# Altium PCB EASY-EAI-Nano-TB V1.01.PCBDOC (part 6 of 7) (continued)
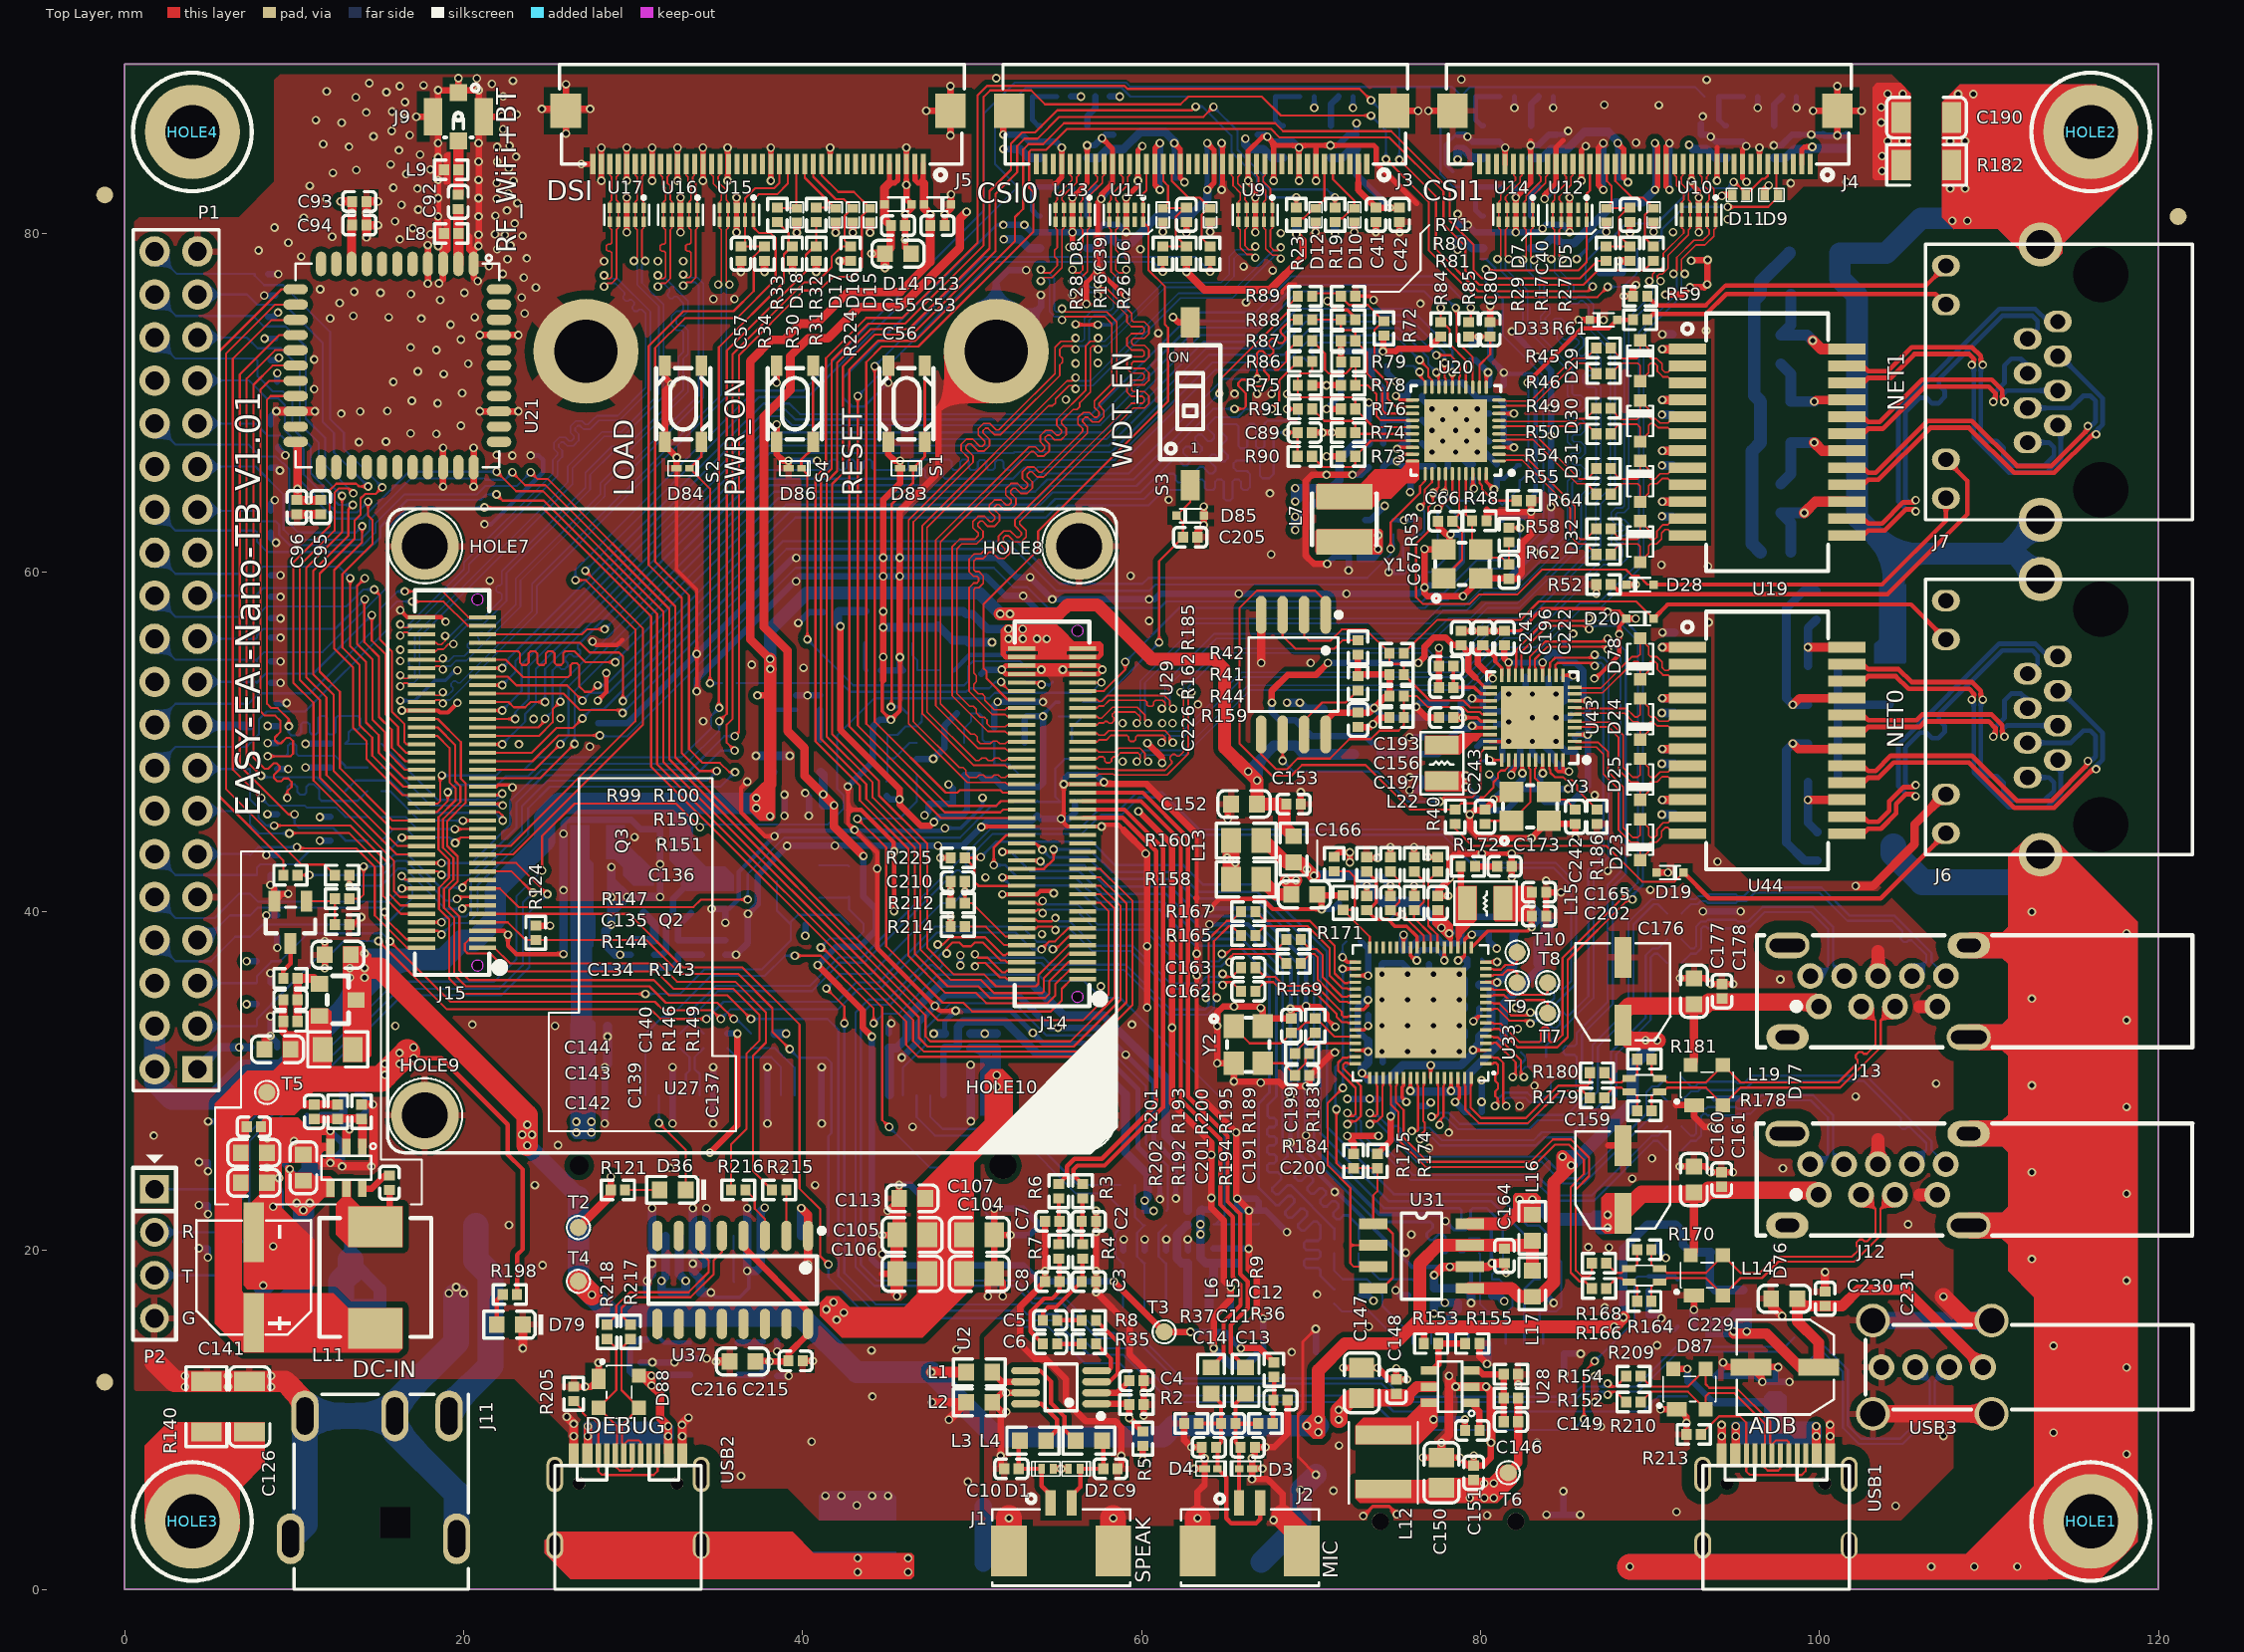
[diagram p0: Top Layer view]
## Nets (pads, with @x,y where several pads share a name; then routed paths per layer and width w, separated by ;. In a path a pad name is that pad's centre, name@x,y a point inside that pad or via, vN(x,y) a via of type N, cw(c..) or ccw(c..) an arc to the next point about the centre after c; other vN are vias at no path point) (continued)
SDMMC0_DET: J14.24 R98.1 R225.1 | length 55.4
  Top Layer w0.152: v1(50.516,43.201) 50.477,43.162 R225.1@49.584,43.162 50.134,42.612 50.134,41.765 50.389,41.51 J14.24@52.925,41.511
  Bottom Layer w0.152: v1(50.516,43.201) 51.435,44.12 57.061,44.12 58.448,42.732 62.474,42.732 63.627,41.58 66.99,41.58 70.942,37.628 70.942,27.265 74.89,23.317 80.95,23.317 82.804,21.463 83.464,21.463 R98.1@84.243,20.684
SIM_CLK: D40.1 R112.2 U23.C3 | length 5.3
  Bottom Layer w0.127: U23.C3@58.909,16.623 58.909,19.231 D40.1@58.92,19.243 58.869,19.243 58.471,19.642 58.471,21.036 R112.2@58.92,21.485
SIM_DET: D41.1 R122.2 R129.1 R133.2 | length 52.6
  Top Layer w0.127: v1(39.548,37.389) 41.078,37.389 44.196,34.271 v1(44.196,33.401)
  Bottom Layer w0.127: R122.2@30.744,32.792 31.734,33.782 32.176,33.782 34.589,36.195 37.77,36.195 38.964,37.389 v1(39.548,37.389) ; v1(44.196,33.401) 44.755,33.96 45.672,33.96 47.983,36.271 53.914,36.271 54.275,35.91 56.606,35.91 57.602,34.914 58.735,34.914 64.907,28.742 64.907,22.069 R129.1@64.373,21.536 ; R129.1@64.254,21.536 R129.1@64.373,21.536 ; D41.1@66.921,21.58 66.877,21.536 R129.1@64.373,21.536
SIM_RST: D38.1 R113.2 U23.C2 | length 5.3
  Bottom Layer w0.127: U23.C2@61.448,16.623 61.448,19.231 D38.1@61.46,19.243 61.409,19.243 61.011,19.642 61.011,21.036 R113.2@61.46,21.485
SIM_SIO: D39.1 R111.2 R128.1 U23.C7 | length 7.9
  Bottom Layer w0.127: R111.2@59.617,23.858 59.617,21.967 60.099,21.485 R128.1@60.19,21.485 59.741,21.036 59.741,19.642 60.139,19.243 D39.1@60.19,19.243 60.179,19.231 U23.C7@60.179,16.623
SIM_VCC: C98.2 C99.2 C100.2 J10.8 R128.2 R129.2 U23.C1 | length 37.7
  VCC w0.635: v1(60.19,22.939) 60.19,22.852 60.708,22.334 v1(60.716,22.334) 60.744,22.306 62.708,22.306 v1(63.475,21.539) 63.483,21.531 v1(63.483,20.946)
  Bottom Layer w0.381: J10.8@48.329,29.153 48.329,31.874 C98.2@48.397,31.942 ; v1(60.19,22.939) R128.2@60.19,22.335 60.191,22.334 v1(60.716,22.334) ; 63.563,22.404 R129.2@64.236,22.404
  Bottom Layer w0.508: C98.2@48.397,31.942 49.048,31.942 49.158,32.052 49.158,33.193 49.475,33.51 51.94,33.51 53.845,31.605 56.66,31.605 59.055,29.21 59.055,25.781 60.36,24.476 60.36,23.108 v1(60.19,22.939) ; 63.563,22.404 63.475,22.316 v1(63.475,21.539) 63.483,21.531 v1(63.483,20.946) 63.483,19.567 63.8,19.25 C100.2@64.254,19.25 ; U23.C1@63.988,16.623 63.988,18.113 64.254,18.379 C100.2@64.254,19.25 ; C99.2@65.651,19.25 C100.2@64.254,19.25
SIM_VPP: C97.2 J10.16 R127.2 | length 32.1
  Bottom Layer w0.508: J10.16@45.129,29.153 45.129,31.908 C97.2@45.095,31.942 45.555,31.942 46.157,32.544 46.157,33.709 48.185,35.738 53.535,35.738 55.422,33.851 57.767,33.851 61.426,30.192 61.426,26.763 62.73,25.458 R127.2@62.73,22.335
SPI0_CLK_M2: D62.2 J15.44 P1.23 | length 24.1
  Top Layer w0.127: v1(14.172,59.659) 13.72,59.207 13.72,55.782 14.631,54.872 14.631,51.316 15.377,50.569 15.377,49.515 16.532,48.359 J15.44@17.524,48.359
  Bottom Layer w0.127: P1.23@4.31,58.63 7.747,58.63 D62.2@7.81,58.567 7.81,58.709 8.189,59.088 13.601,59.088 v1(14.172,59.659)
SPI0_CSN0_M2: D63.1 J15.50 P1.24 | length 25.1
  Top Layer w0.127: v1(14.73,58.998) 15.074,58.654 15.074,56.045 15.774,55.345 15.774,51.789 16.52,51.043 16.52,49.988 16.649,49.859 J15.50@17.524,49.859
  Bottom Layer w0.127: P1.24@1.77,58.63 3.014,57.386 7.721,57.386 D63.1@7.81,57.297 7.81,57.439 8.38,58.009 13.097,58.009 14.086,58.998 v1(14.73,58.998)
SPI0_CSN1_M2: D64.1 J15.42 P1.26 | length 26.8
  Top Layer w0.127: v1(13.317,59.669) 13.317,55.647 14.25,54.714 14.25,51.158 14.996,50.411 14.996,49.357 16.493,47.859 J15.42@17.524,47.859
  Bottom Layer w0.127: P1.26@1.77,61.17 3.014,59.926 7.721,59.926 D64.1@7.81,59.837 7.81,59.979 8.189,60.358 12.628,60.358 v1(13.317,59.669)
SPI0_MISO_M2: D60.2 J15.46 P1.21 | length 22.5
  Top Layer w0.127: v1(14.176,58.428) 14.145,58.397 14.145,55.896 15.012,55.03 15.012,51.473 15.758,50.727 15.758,49.673 16.571,48.859 J15.46@17.524,48.859
  Bottom Layer w0.127: P1.21@4.31,56.09 7.746,56.09 D60.2@7.81,56.154 7.81,56.296 8.189,56.675 12.423,56.675 v1(14.176,58.428)
SPI0_MOSI_M2: D59.2 J15.48 P1.19 | length 21.8
  Top Layer w0.127: v1(14.59,57.488) 14.59,55.991 15.393,55.188 15.393,51.631 16.139,50.885 16.139,49.83 16.61,49.359 J15.48@17.524,49.359
  Bottom Layer w0.127: P1.19@4.31,53.55 D59.2@7.747,53.55 ; D59.2@7.81,53.487 7.81,53.506 8.337,54.033 11.135,54.033 v1(14.59,57.488)
SPI1_CLK_M1: D68.2 J14.23 P1.31 | length 88.3
  Top Layer w0.127: v1(21.952,65.949) 23.098,64.803 24.686,64.803 31.781,57.708 31.781,48.835 46.861,33.756 46.861,32.552 47.383,32.029 55.999,32.029 58.76,34.79 58.76,40.322 57.572,41.51 J14.23@56.524,41.511
  Bottom Layer w0.127: P1.31@4.31,68.79 7.747,68.79 D68.2@7.81,68.727 7.81,68.708 8.438,68.079 9.231,68.079 10.166,67.144 10.166,65.622 11.498,64.29 11.498,64.05 12.365,63.183 14.012,63.183 16.778,65.949 v1(21.952,65.949)
SPI1_CS0N_M1: D66.1 J14.25 P1.28 | length 90.3
  Top Layer w0.127: v1(21.944,64.608) 22.306,64.246 24.74,64.246 31.426,57.56 31.426,48.688 46.522,33.591 46.522,32.369 47.166,31.725 56.197,31.725 59.116,34.643 59.116,40.47 57.575,42.01 J14.25@56.524,42.01
  Bottom Layer w0.127: P1.28@1.77,63.71 2.998,62.482 7.705,62.482 D66.1@7.81,62.377 7.81,61.829 8.425,61.214 14.226,61.214 15.098,62.085 15.098,62.696 16.685,64.283 21.022,64.283 21.346,64.608 v1(21.944,64.608)
SPI1_CS1N_M1: D61.1 J14.27 P1.22 | length 94.7
  Top Layer w0.127: v1(21.234,63.843) 24.64,63.843 31.07,57.413 31.07,48.541 46.109,33.502 46.109,32.137 46.827,31.42 56.396,31.42 59.471,34.496 59.471,40.617 57.578,42.51 J14.27@56.524,42.511
  Bottom Layer w0.127: P1.22@1.77,56.09 3.014,54.846 7.721,54.846 D61.1@7.81,54.757 7.81,54.865 8.248,55.303 11.68,55.303 15.472,59.096 15.472,62.571 16.744,63.843 v1(21.234,63.843)
SPI1_MISO_M1: D67.2 J14.21 P1.29 | length 87.6
  Top Layer w0.127: v1(22.879,65.918) 23.638,65.158 24.833,65.158 32.137,57.855 32.137,48.983 47.254,33.865 47.254,32.621 47.541,32.334 55.801,32.334 58.405,34.938 58.405,40.175 57.569,41.01 J14.21@56.524,41.01
  Bottom Layer w0.127: P1.29@4.31,66.25 7.747,66.25 D67.2@7.81,66.187 7.81,66.168 9.383,64.595 9.383,62.542 9.988,61.937 13.907,61.937 14.464,62.494 14.464,63.117 16.904,65.557 21.234,65.557 21.311,65.481 22.442,65.481 v1(22.879,65.918)
SPI1_MOSI_M1: D65.2 J14.19 P1.27 | length 83.2
  Top Layer w0.127: v1(23.962,65.92) 24.369,65.514 24.981,65.514 32.492,58.002 32.492,49.092 48.01,33.575 54.881,33.575 54.89,33.585 55.259,33.585 55.268,33.575 56.539,33.575 58.049,35.085 58.049,40.028 57.566,40.51 J14.19@56.524,40.511
  Bottom Layer w0.127: P1.27@4.31,63.71 4.373,63.647 D65.2@7.81,63.647 7.81,63.207 7.99,63.027 8.911,63.027 9.122,62.815 9.122,62.233 9.744,61.611 14.052,61.611 14.798,62.357 14.798,62.898 16.517,64.618 20.797,64.618 21.295,65.115 23.157,65.115 v1(23.962,65.92)
SPISDI/ENSWREG: R44.1 R159.2 U29.5 U43.25 | length 18.3
  Top Layer w0.127: U29.5@67.056,50.445 67.056,49.276 67.945,48.387 68.58,48.387 69.215,49.022 71.12,49.022 72.263,50.165 73.533,50.165 74.041,50.673 75.17,50.673 75.482,50.985 R159.2@75.482,51.435 75.482,52.07 R44.1@75.482,52.705 76.248,52.705 76.883,52.07 78.964,52.07 79.261,51.773 79.952,51.773 80.09,51.635 U43.25@80.559,51.635
SPKN_OUT: C9.2 D2.1 J1.2 L4.2 | length 5.3
  Top Layer w0.254: J1.2@55.88,5.085 55.88,5.535 56.388,6.043 D2.1@56.388,7.112 C9.2@57.741,7.112 57.741,8.688 L4.2@57.666,8.763
SPKP_OUT: C10.2 D1.1 J1.1 L3.2 | length 5.2
  Top Layer w0.254: L3.2@52.824,8.763 52.749,8.688 C10.2@52.749,7.112 D1.1@53.975,7.112 ; D1.1@54.102,7.112 54.102,6.096 54.63,5.568 J1.1@54.63,5.085
SSRX_N: C63.2 U43.15 | length 34.5
  Top Layer w0.13: U43.15@83.258,53.934 83.258,54.384 83.21,54.432 83.21,54.889 83.947,55.626 87.325,55.626 v1(87.503,55.448)
  Bottom Layer w0.13: C63.2@84.756,30.527 85.429,30.527 85.674,30.772 85.674,31.414 85.547,31.542 85.019,31.542 84.891,31.669 84.891,31.925 85.019,32.052 85.547,32.052 85.674,32.18 85.674,32.842 87.503,34.671 87.503,41.579 88.265,42.341 88.265,55.245 87.884,55.626 87.681,55.626 v1(87.503,55.448)
SSRX_P: C64.2 U43.16 | length 34.5
  Top Layer w0.13: U43.16@82.858,53.934 82.858,54.382 82.905,54.43 82.905,55.016 83.821,55.931 87.325,55.931 v1(87.503,56.109)
  Bottom Layer w0.13: C64.2@85.645,29.638 85.645,30.311 85.979,30.645 85.979,32.716 87.808,34.545 87.808,41.453 88.57,42.215 88.57,55.371 88.01,55.931 87.681,55.931 v1(87.503,56.109)
SSTX_N: C194.2 U43.12 | length 29.4
  Top Layer w0.13: U43.12@84.458,53.934 84.458,54.36 84.41,54.408 84.41,54.536 84.542,54.667 86.563,54.667 v1(86.741,54.49)
  Bottom Layer w0.13: C194.2@82.978,32.305 83.651,32.305 83.914,32.567 83.914,32.748 83.759,32.903 83.759,33.083 83.939,33.264 84.12,33.264 84.275,33.109 84.455,33.109 84.69,33.343 84.69,33.524 84.535,33.679 84.535,33.859 84.715,34.04 84.896,34.04 85.051,33.885 85.231,33.885 86.36,35.014 86.36,42.476 87.249,43.365 87.249,54.54 87.122,54.667 86.919,54.667 v1(86.741,54.49)
SSTX_P: C195.2 U43.13 | length 29.4
  Top Layer w0.13: U43.13@84.058,53.934 84.058,54.376 84.106,54.424 84.106,54.662 84.416,54.972 86.563,54.972 v1(86.741,55.15)
  Bottom Layer w0.13: C195.2@83.867,31.416 83.867,32.089 86.665,34.887 86.665,42.35 87.554,43.239 87.554,54.667 87.248,54.972 86.919,54.972 v1(86.741,55.15)
SW: L15.1 R172.2 U33.19 | length 5.2
  Top Layer w0.203: U33.19@78.664,37.868 78.664,39.935 L15.1@79.224,40.495
  Top Layer w0.381: R172.2@78.833,42.654 78.833,40.886 L15.1@79.224,40.495
TX_D1_N: C157.1 U33.47 | length 28.2
  Top Layer w0.13: v1(72.146,28.1) 72.324,27.922 72.502,27.922 72.629,28.049 72.629,29.585 71.595,30.618 71.595,31.082 71.884,31.37 72.151,31.37 72.199,31.418 U33.47@72.614,31.418
  Bottom Layer w0.13: v1(72.146,28.1) 72.324,27.922 72.625,27.922 72.959,27.588 72.959,26.91 73.706,26.162 74.295,26.162 76.007,24.45 83.296,24.45 84.505,23.241 86.573,23.241 90.091,26.759 90.469,26.759 C157.1@91.015,27.305
TX_D1_P: C158.1 U33.48 | length 28.2
  Top Layer w0.13: v1(72.146,27.439) 72.324,27.617 72.628,27.617 72.87,27.859 72.933,27.923 72.933,29.711 71.9,30.745 71.9,30.956 72.01,31.066 72.151,31.066 72.199,31.018 U33.48@72.614,31.018
  Bottom Layer w0.13: v1(72.146,27.439) 72.324,27.617 72.498,27.617 72.654,27.462 72.654,26.783 73.58,25.857 74.169,25.857 75.88,24.146 83.169,24.146 84.379,22.936 86.699,22.936 90.217,26.454 90.469,26.454 C158.1@91.015,25.908
TX_D2_N: C174.1 U33.56 | length 27.4
  Top Layer w0.13: v1(75.95,27.039) 76.264,27.039 76.312,27.086 76.312,29.706 76.264,29.753 U33.56@76.264,30.168
  Bottom Layer w0.13: v1(75.95,27.039) 76.267,27.039 76.457,27.229 77.004,27.229 77.736,26.496 83.138,26.496 83.617,26.975 85.443,26.975 87.706,29.238 87.706,31.699 89.738,33.731 89.738,37.411 90.135,37.808 90.469,37.808 C174.1@91.015,38.354
TX_D2_P: C175.1 U33.57 | length 27.5
  Top Layer w0.13: v1(76.432,26.557) 76.432,26.775 76.708,27.052 76.708,27.537 76.616,27.628 76.616,29.706 76.664,29.753 U33.57@76.664,30.168
  Bottom Layer w0.13: v1(76.432,26.557) 76.432,26.773 76.583,26.924 76.878,26.924 77.61,26.192 83.265,26.192 83.743,26.67 85.569,26.67 88.011,29.112 88.011,31.573 90.043,33.605 90.043,37.285 90.261,37.503 90.469,37.503 C175.1@91.015,36.957
TX_D3_N: C63.1 U33.1 | length 8.2
  Top Layer w0.13: U33.1@80.314,31.018 80.729,31.018 80.776,31.066 80.909,31.066 81.036,30.939 81.036,30.449 80.874,30.287 80.874,29.997 81.036,29.835 81.036,29.541 80.874,29.378 80.874,29.108 81.036,28.946 81.036,28.691 v1(80.858,28.513)
  Bottom Layer w0.13: v1(80.858,28.513) 81.036,28.691 81.036,28.937 81.412,29.313 82.757,29.313 83.011,29.059 83.962,29.059 84.154,29.252 C63.1@84.154,29.925
TX_D3_P: C64.1 U33.2 | length 8.2
  Top Layer w0.13: U33.2@80.314,31.418 80.729,31.418 80.776,31.37 81.035,31.37 81.341,31.065 81.341,28.691 v1(81.519,28.513)
  Bottom Layer w0.13: v1(81.519,28.513) 81.341,28.691 81.341,28.811 81.538,29.009 82.631,29.009 82.885,28.754 84.088,28.754 84.37,29.036 C64.1@85.043,29.036
TX_D4_N: T7.1 U33.11 | length 4.4
  Top Layer w0.13: U33.11@80.314,35.018 80.729,35.018 80.776,35.066 81.385,35.066 81.678,34.773 83.75,34.773 83.957,34.566 T7.1@83.957,34
TX_D4_P: T8.1 U33.12 | length 4.4
  Top Layer w0.13: U33.12@80.314,35.418 80.729,35.418 80.776,35.37 81.512,35.37 81.805,35.077 83.804,35.077 83.957,35.23 T8.1@83.957,35.796
TX_N: R171.2 U33.38 | length 5.4
  Top Layer w0.13: R171.2@69.396,38.336 69.942,37.79 70.329,37.79 70.698,37.421 70.698,36.107 71.834,34.97 72.151,34.97 72.199,35.018 U33.38@72.614,35.018
TX_P: R169.2 U33.39 | length 5.4
  Top Layer w0.13: R169.2@69.396,36.939 69.942,37.485 70.203,37.485 70.393,37.295 70.393,35.98 71.708,34.666 72.151,34.666 72.199,34.618 U33.39@72.614,34.618
UART0_RX_DBG: J15.1 R215.1 | length 29.5
  Top Layer w0.127: J15.1@21.124,37.859 21.818,37.859 22.739,36.939 31.514,36.939 32.598,35.855 36.028,35.855 37.846,34.036 37.846,32.258 37.084,31.496 37.084,24.678 R215.1@38.193,23.569
UART0_TX_DBG: J15.3 R216.1 | length 31.5
  Top Layer w0.127: J15.3@21.124,38.36 20.336,38.359 20.076,38.099 20.076,37.688 20.245,37.519 21.57,37.519 22.633,36.456 31.362,36.456 32.385,35.433 35.908,35.433 37.465,33.876 37.465,32.385 36.703,31.623 36.703,27.178 35.78,26.255 R216.1@35.78,23.569
UART2_RX: D81.2 P2.2 R222.2 | length 4.6
  Bottom Layer w0.127: P2.2@1.77,21.07 D81.2@4.928,21.07 5.823,21.07 R222.2@6.198,21.444
UART2_RX_M0: J15.19 R222.1 | length 33.4
  Top Layer w0.127: J15.19@21.124,42.36 22.834,42.359 v1(24.088,41.106)
  Bottom Layer w0.127: R222.1@6.198,22.294 6.985,23.082 6.985,26.566 8.105,27.686 8.446,27.686 16.193,35.433 22.098,35.433 23.495,36.83 23.495,40.513 v1(24.088,41.106)
UART2_TX: D82.2 P2.3 R223.2 | length 4.6
  Bottom Layer w0.127: P2.3@1.77,18.53 D82.2@4.928,18.53 ; D82.2@4.921,18.523 5.816,18.523 R223.2@6.191,18.898
UART2_TX_M0: J15.21 R223.1 | length 37.3
  Top Layer w0.127: J15.21@21.124,42.859 23.11,42.859 v1(24.948,41.021)
  Bottom Layer w0.127: R223.1@6.191,19.748 7.361,20.917 7.361,26.435 8.258,27.332 8.663,27.332 16.383,35.052 22.225,35.052 23.876,36.703 23.876,39.949 v1(24.948,41.021)
UART6_RX_M0: D53.2 J15.2 P1.11 | length 17.5
  Top Layer w0.127: v1@10.17,43.721 13.674,43.721 14.763,42.632 14.763,39.771 16.674,37.86 J15.2@17.524,37.859
  Bottom Layer w0.127: P1.11@4.31,43.39 D53.2@7.347,43.39 ; D53.2@7.41,43.327 7.88,43.797 v1(10.17,43.797)
UART6_TX_M0: D50.2 J15.4 P1.7 | length 15
  Top Layer w0.127: v1(15.353,39.962) 15.353,39.631 16.624,38.36 J15.4@17.524,38.36
  Bottom Layer w0.127: P1.7@4.31,38.31 4.76,38.31 6.221,39.771 D50.2@7.41,39.771 7.865,40.226 15.089,40.226 v1(15.353,39.962)
UART7_RX_M0: D52.2 J15.16 P1.10 | length 17.4
  Top Layer w0.127: v1(16.364,41.36) J15.16@17.524,41.36
  Bottom Layer w0.127: P1.10@1.77,40.85 3.014,39.606 5.313,39.606 6.748,41.041 D52.2@7.41,41.041 7.865,40.586 15.59,40.586 v1(16.364,41.36)
UART7_TX_M0: D51.2 J15.18 P1.8 | length 20.1
  Top Layer w0.127: v1(16.345,42.083) 16.354,42.092 16.586,41.86 J15.18@17.524,41.859
  Bottom Layer w0.127: P1.8@1.77,38.31 3.014,37.066 5.104,37.066 6.539,38.501 D51.2@7.41,38.501 8.133,39.224 15.422,39.224 16.986,40.788 16.986,41.441 v1(16.345,42.083)
USB0_N: R167.2 U33.36 | length 8.6
  Top Layer w0.13: R167.2@66.729,39.987 67.275,39.441 69.928,39.441 71.399,37.969 71.399,36.351 71.98,35.77 72.151,35.77 72.199,35.818 U33.36@72.614,35.818
USB0_P: R165.2 U33.37 | length 8.6
  Top Layer w0.13: R165.2@66.729,38.59 67.275,39.136 69.801,39.136 71.095,37.843 71.095,36.225 71.854,35.466 72.151,35.466 72.199,35.418 U33.37@72.614,35.418
USB2_HOST1_N: J14.4 R167.1 | length 25.1
  Top Layer w0.13: v1(50.175,37.472) 50.378,37.269 50.916,37.269 51.772,36.413 51.962,36.413 52.06,36.51 J14.4@52.925,36.511 ; v1(63.789,34.907) 63.967,35.085 63.967,38.373 65.035,39.441 65.333,39.441 R167.1@65.879,39.987
  Bottom Layer w0.13: v1(50.175,37.472) 50.378,37.269 54.213,37.269 54.619,36.863 59.072,36.863 61.721,34.214 63.755,34.214 63.967,34.426 63.967,34.729 v1(63.789,34.907)
USB2_HOST1_P: J14.2 R165.1 | length 25.1
  Top Layer w0.13: v1(50.175,36.761) 50.378,36.964 50.79,36.964 51.646,36.108 51.962,36.108 52.06,36.01 J14.2@52.925,36.01 ; v1(64.45,34.907) 64.272,35.085 64.272,38.247 65.161,39.136 65.333,39.136 R165.1@65.879,38.59
  Bottom Layer w0.13: v1(50.175,36.761) 50.378,36.964 54.087,36.964 54.493,36.558 58.946,36.558 61.595,33.909 63.881,33.909 64.272,34.3 64.272,34.729 v1(64.45,34.907)
USB3.0_A: C159.1 C160.2 C161.2 D76.4 J12.1 L16.2 U31.8 | length 25.2
  Top Layer w0.508: D76.4@92.396,19.712 92.584,19.9 C160.2@92.584,23.308
  Top Layer w0.762: U31.8@79.37,21.572 81.435,21.572 81.969,22.106 L16.2@83.058,22.106
  Top Layer w1.016: C159.1@88.393,22.183 89.518,23.308 92.584,23.308 93.225,23.308 93.461,23.544 99.689,23.544 J12.1@99.95,23.283
  Bottom Layer w0.762: v1(82.296,22.987) v1(83.058,22.987) 84.201,21.844 87.249,21.844
  other v1: 87.503,21.336 87.503,22.098
USB3.0_B: C176.1 C177.2 C178.2 D77.4 J13.1 L17.2 U31.5 | length 46.6
  Top Layer w0.508: D77.4@92.405,30.946 92.593,31.134 92.593,34.415 C177.2@92.593,34.52
  Top Layer w0.762: U31.5@79.37,17.762 81.806,17.762 82.304,17.264 L17.2@83.058,17.264 83.478,17.264 84.328,18.114 84.328,24.003 84.836,24.511 ; 84.836,24.511 v1(85.344,25.019) v1(84.836,25.527) 84.836,24.511
  Top Layer w1.016: 89.307,32.385 v1(90.424,32.385) ; v1(89.736,32.401) 88.786,32.401 88.402,32.785 C176.1@88.402,33.29 88.402,34.036 88.782,34.415 92.593,34.415 93.234,34.415 93.47,34.651 99.698,34.651 J13.1@99.959,34.39
  Bottom Layer w0.762: 85.852,25.527 v1(84.836,25.527) v1(85.344,25.019) 85.852,25.527 ; 85.852,25.527 88.979,28.654 88.979,30.94 89.736,31.697 ; 89.736,31.697 v1(90.424,32.385) 90.408,32.401 v1(89.736,32.401) 89.736,31.697
USB3_HOST1_SSRX_N: J14.20 R171.1 | length 17.9
  Top Layer w0.13: J14.20@52.925,40.511 53.789,40.51 53.887,40.413 54.01,40.413 54.163,40.565 v1(54.163,40.616) ; v1(64.745,37.49) 64.996,37.49 65.295,37.79 68,37.79 R171.1@68.546,38.336
  Bottom Layer w0.13: v1(54.163,40.616) 54.366,40.413 56.234,40.413 57.429,39.218 60.289,39.218 62.448,37.059 64.564,37.059 64.745,37.239 v1(64.745,37.49)
USB3_HOST1_SSRX_P: J14.18 R169.1 | length 17.9
  Top Layer w0.13: J14.18@52.925,40.01 53.789,40.01 53.887,40.108 53.985,40.108 54.163,39.93 v1(54.163,39.905) ; v1(65.198,37.01) 65.198,37.262 65.422,37.485 68,37.485 R169.1@68.546,36.939
  Bottom Layer w0.13: v1(54.163,39.905) 54.366,40.108 56.108,40.108 57.303,38.913 60.163,38.913 62.322,36.754 64.69,36.754 64.947,37.01 v1(65.198,37.01)
USB3_HOST1_SSTX_N: C163.2 J14.16 | length 15.2
  Top Layer w0.13: J14.16@52.925,39.511 53.789,39.51 53.887,39.413 54.715,39.413 v1(54.918,39.616) ; v1(64.78,36.317) 64.958,36.139 65.333,36.139 C163.2@65.879,36.685
  Bottom Layer w0.13: v1(54.918,39.616) 55.121,39.413 55.761,39.413 57.194,37.98 59.479,37.98 61.716,35.743 63.438,35.743 63.834,36.139 64.602,36.139 v1(64.78,36.317)
USB3_HOST1_SSTX_P: C162.2 J14.14 | length 15.2
  Top Layer w0.13: J14.14@52.925,39.01 53.789,39.01 53.887,39.108 54.715,39.108 v1(54.918,38.905) ; v1(64.78,35.656) 64.958,35.834 65.333,35.834 C162.2@65.879,35.288
  Bottom Layer w0.13: v1(54.918,38.905) 55.121,39.108 55.635,39.108 57.067,37.676 59.352,37.676 61.59,35.438 63.564,35.438 63.96,35.834 64.602,35.834 v1(64.78,35.656)
USB4/_N: J10.36 R119.1 | length 3.1
  Bottom Layer w0.13: J10.36@33.929,29.153 33.929,30.411 33.633,30.708 33.633,31.402 R119.1@34.173,31.942
USB4/_P: J10.38 R120.1 | length 3.1
  Bottom Layer w0.13: R120.1@32.776,31.942 33.328,31.39 33.328,30.61 33.129,30.411 J10.38@33.129,29.153
USB20_5V: C229.1 C230.2 C231.2 L20.2 U34.1 USB3.1 | length 23.8
  Top Layer w0.635: v1@94.945,15.088 96.876,15.088 98.857,13.106 C229.1@99.949,13.106 99.949,14.554 98.687,15.816 C230.2@98.687,17.145 99.112,16.72 C231.2@100.33,16.72 101.327,16.72 102.286,17.678 105.078,17.678 USB3.1@109.65,13.106
  other v1: 94.945,15.215 95.707,15.215
USB30_OTG0_VBUSDET: C210.2 J14.12 R211.1 R212.2 | length 86.7
  Top Layer w0.127: v1(41.402,35.458) 42.469,34.392 v1(42.469,33.401) ; C210.2@49.584,41.765 v1(49.584,41.165) R212.2@49.584,40.495 49.996,40.495 51.981,38.51 J14.12@52.925,38.511
  Bottom Layer w0.127: v1(41.402,35.458) 42.264,36.321 44.054,36.321 48.228,40.495 48.914,40.495 v1(49.584,41.165) ; v1(42.469,33.401) 42.469,18.669 44.323,16.815 52.654,16.815 53.238,16.231 55.067,16.231 57.074,14.224 59.14,14.224 61.934,11.43 73.914,11.43 74.859,10.485 89.606,10.485 90.507,11.386 R211.1@92.202,11.386
USB_1_N: D76.3 J12.2 L14.2 R170.2 | length 19.3
  Top Layer w0.13: R170.2@90.088,20.045 90.088,19.177 90.345,18.92 L14.2@90.562,18.92 ; L14.2@90.564,18.921 90.764,18.921 91.012,18.673 93.295,18.673 94.231,19.609 94.231,19.647 D76.3@94.296,19.712 95.335,18.673 96.483,18.673 97.444,19.634 101.922,19.634 102.283,19.995 102.283,20.175 102.179,20.279 102.179,20.46 102.359,20.64 102.54,20.64 102.644,20.536 102.824,20.536 103.298,21.01 103.298,22.435 J12.2@102.45,23.283
USB_1_P: D76.2 J12.3 L14.3 R164.2 | length 19.3
  Top Layer w0.13: R164.2@90.088,16.997 90.088,17.865 90.345,18.121 L14.3@90.562,18.121 ; L14.3@90.563,18.12 90.763,18.12 91.011,18.368 93.295,18.368 94.231,17.432 94.231,17.394 D76.2@94.296,17.329 95.335,18.368 96.609,18.368 97.57,19.329 102.048,19.329 103.602,20.883 103.602,22.435 J12.3@104.45,23.283
USB_2_N: D77.3 J13.2 L19.2 R181.2 | length 19.2
  Top Layer w0.13: R181.2@90.097,31.279 90.097,30.411 90.353,30.154 L19.2@90.571,30.154 ; L19.2@90.573,30.155 90.773,30.155 91.021,29.907 93.304,29.907 94.24,30.843 94.24,30.881 D77.3@94.305,30.946 95.344,29.907 101.097,29.907 102.247,31.058 102.247,31.238 102.143,31.342 102.143,31.523 102.324,31.703 102.504,31.703 102.608,31.599 102.789,31.599 103.306,32.117 103.306,33.542 J13.2@102.459,34.39
USB_2_P: D77.2 J13.3 L19.3 R178.2 | length 19.2
  Top Layer w0.13: R178.2@90.097,28.231 90.097,29.099 90.353,29.355 L19.3@90.571,29.355 ; L19.3@90.572,29.354 90.772,29.354 91.02,29.602 93.304,29.602 94.24,28.666 94.24,28.628 D77.2@94.305,28.563 95.344,29.602 101.223,29.602 103.611,31.991 103.611,33.542 J13.3@104.459,34.39
USB_OTG_N: D87.2 R210.1 USB1.A7 USB1.B7 | length 14.1
  Top Layer w0.13: R210.1@89.452,11.049 90.062,11.659 92.24,11.659 D87.2@93.279,10.62 93.279,11.389 93.472,11.582 94.971,11.582 96.779,9.774 96.779,8.618 96.682,8.521 USB1.B7@96.682,7.898 96.682,7.259 96.938,7.003 97.567,7.003 97.682,7.118 USB1.A7@97.682,7.898
USB_OTG_P: D87.3 R209.1 USB1.A6 USB1.B6 | length 14.1
  Top Layer w0.13: R209.1@89.452,12.573 90.062,11.963 92.24,11.963 D87.3@93.279,13.002 93.279,12.106 93.497,11.887 95.097,11.887 97.084,9.9 97.084,8.633 USB1.A6@97.182,8.536 ; USB1.A6@97.182,7.898 USB1.A6@97.182,8.536 ; USB1.B6@98.182,7.898 98.182,8.677 98.067,8.792 97.438,8.792 USB1.A6@97.182,8.536
USB_RX1_N: J12.5 R161.2 U30.1 U30.10 | length 18.6
  Bottom Layer w0.13: R161.2@91.865,30.226 92.411,29.68 92.682,29.68 92.861,29.858 93.306,29.858 93.404,29.956 U30.10@93.801,29.956 U30.1@94.667,29.956 95.064,29.956 95.162,29.858 95.543,29.858 95.989,30.305 102.745,30.305 106.603,26.447 106.603,25.931 J12.5@107.45,25.083
USB_RX1_P: J12.6 R163.2 U30.2 U30.9 | length 18.6
  Bottom Layer w0.13: R163.2@91.865,28.829 92.411,29.375 92.809,29.375 92.987,29.554 93.306,29.554 93.404,29.456 U30.9@93.801,29.456 U30.2@94.667,29.456 95.064,29.456 95.162,29.554 95.669,29.554 96.115,30 102.619,30 104.806,27.813 104.806,27.632 104.702,27.529 104.702,27.348 104.882,27.168 105.063,27.168 105.167,27.271 105.347,27.271 106.298,26.321 106.298,25.931 J12.6@105.45,25.083
USB_RX2_N: J13.5 R176.2 U32.1 U32.10 | length 18.6
  Bottom Layer w0.13: R176.2@91.865,41.275 92.411,40.729 92.682,40.729 92.861,40.907 93.306,40.907 93.404,41.005 U32.10@93.801,41.005 U32.1@94.667,41.005 95.064,41.005 95.162,40.907 95.543,40.907 96.047,41.412 100.116,41.412 101.777,39.751 104.415,39.751 106.611,37.554 106.611,37.038 J13.5@107.459,36.19
USB_RX2_P: J13.6 R177.2 U32.2 U32.9 | length 18.6
  Bottom Layer w0.13: R177.2@91.865,39.878 92.411,40.424 92.809,40.424 92.987,40.603 93.306,40.603 93.404,40.505 U32.9@93.801,40.505 U32.2@94.667,40.505 95.064,40.505 95.162,40.603 95.669,40.603 96.173,41.107 99.99,41.107 101.651,39.446 104.288,39.446 104.891,38.843 104.891,38.663 104.788,38.559 104.788,38.378 104.968,38.198 105.149,38.198 105.252,38.302 105.433,38.302 106.307,37.428 106.307,37.038 J13.6@105.459,36.19
USB_TTL_N: D88.2 R218.1 USB2.A7 USB2.B7 | length 10.6
  Top Layer w0.13: R218.1@28.465,14.766 29.011,14.22 ; 29.011,14.22 29.011,11.748 D88.2@27.972,10.709 29.051,9.63 29.051,8.618 28.954,8.521 USB2.B7@28.954,7.898 28.954,7.259 29.21,7.003 29.839,7.003 29.954,7.118 USB2.A7@29.954,7.898
USB_TTL_P: D88.3 R217.1 USB2.A6 USB2.B6 | length 9.9
  Top Layer w0.13: USB2.A6@29.454,7.898 USB2.A6@29.454,8.536 ; R217.1@29.862,14.766 29.316,14.22 29.316,11.748 D88.3@30.355,10.709 29.356,9.71 29.356,8.633 USB2.A6@29.454,8.536 ; USB2.B6@30.454,7.898 30.454,8.677 30.339,8.792 29.71,8.792 USB2.A6@29.454,8.536
USB_TX1_N: C157.2 J12.8 U30.4 U30.7 | length 14.6
  Bottom Layer w0.13: C157.2@91.865,27.305 92.411,26.759 92.586,26.759 92.718,26.891 92.718,28.052 93.025,28.358 93.306,28.358 93.404,28.456 U30.7@93.801,28.456 U30.4@94.667,28.456 95.064,28.456 95.162,28.358 95.783,28.358 96.587,29.162 99.612,29.162 100.8,27.974 100.8,25.734 J12.8@101.45,25.083
USB_TX1_P: C158.2 J12.9 U30.5 U30.6 | length 14.5
  Bottom Layer w0.13: C158.2@91.865,25.908 92.411,26.454 92.713,26.454 93.023,26.765 93.023,27.926 93.151,28.054 93.306,28.054 93.404,27.956 U30.6@93.801,27.956 U30.5@94.667,27.956 95.064,27.956 95.162,28.054 95.91,28.054 96.713,28.857 99.486,28.857 100.495,27.848 100.495,25.581 99.997,25.083 J12.9@99.45,25.083
USB_TX2_N: C174.2 J13.8 U32.4 U32.7 | length 14.6
  Bottom Layer w0.13: C174.2@91.865,38.354 92.411,37.808 92.586,37.808 92.718,37.94 92.718,39.101 93.025,39.407 93.306,39.407 93.404,39.505 U32.7@93.801,39.505 U32.4@94.667,39.505 95.064,39.505 95.162,39.407 95.783,39.407 96.645,40.269 99.621,40.269 100.808,39.081 100.808,36.841 J13.8@101.459,36.19
USB_TX2_P: C175.2 J13.9 U32.5 U32.6 | length 14.6
  Bottom Layer w0.13: C175.2@91.865,36.957 92.411,37.503 92.713,37.503 93.023,37.814 93.023,38.975 93.151,39.103 93.306,39.103 93.404,39.005 U32.6@93.801,39.005 U32.5@94.667,39.005 95.064,39.005 95.162,39.103 95.91,39.103 96.771,39.964 99.495,39.964 100.504,38.955 100.504,36.688 100.006,36.19 J13.9@99.459,36.19
V5: C154.2 C155.1 C191.1 C192.2 L13.2 R160.2 R192.1 R196.2 U33.20 | length 17.5
  Top Layer w0.203: C191.1@77.48,40.07 77.48,39.206 78.264,38.422 U33.20@78.264,37.868
  Top Layer w0.305: R192.1@73.289,40.92 v1(73.289,41.511)
  Top Layer w0.762: R160.2@67.067,44.178 67.254,44.178 68.532,42.9 L13.2@68.971,42.9 69.347,42.9 v1(69.761,42.486) 70.134,42.113 v1(70.178,42.113)
  Bottom Layer w0.635: v1(69.761,42.486) 70.134,42.113 71.605,42.113 71.638,42.146 C155.1@73.22,42.146 73.22,41.58 v1(73.289,41.511) 74.239,40.561 76.144,40.561 76.98,39.725 C192.2@77.353,39.725 77.353,39.479 77.988,38.844 78.103,38.844 v1@78.182,38.765
  other v1: 78.156,38.702 77.701,39.038
V5BUS: C207.2 C208.2 C209.2 D87.4 R211.2 USB1.A4 USB1.A9 USB1.B4 USB1.B9 | length 11.7
  Top Layer w0.381: D87.4@91.379,13.002 v1(92.202,13.002)
  Top Layer w0.508: USB1.A4@95.032,7.493 95.032,8.048 95.059,8.075 v1(95.059,9.037) v1(95.059,9.627) ; v1(99.805,9.627) 99.805,8.075 99.832,8.048 USB1.B4@99.832,7.493
  Bottom Layer w0.381: v1(92.202,13.002) R211.2@92.202,12.236 92.539,12.236 93.734,11.041 C208.2@93.853,11.041
  Bottom Layer w0.508: C208.2@93.853,11.041 C207.2@95.631,11.041 97.064,11.041 C209.2@97.409,11.386
  other v1: 99.805,9.037
VBUS: R192.2 R193.2 U33.25 | length 7.1
  Top Layer w0.203: R193.2@73.289,42.356 73.843,41.802 73.843,40.525 73.387,40.07 R192.2@73.289,40.07 73.823,39.536 74.545,39.536 74.947,39.133 75.649,39.133 76.264,38.518 U33.25@76.264,37.868